# KiCad board sakura50.kicad_pcb (continued)
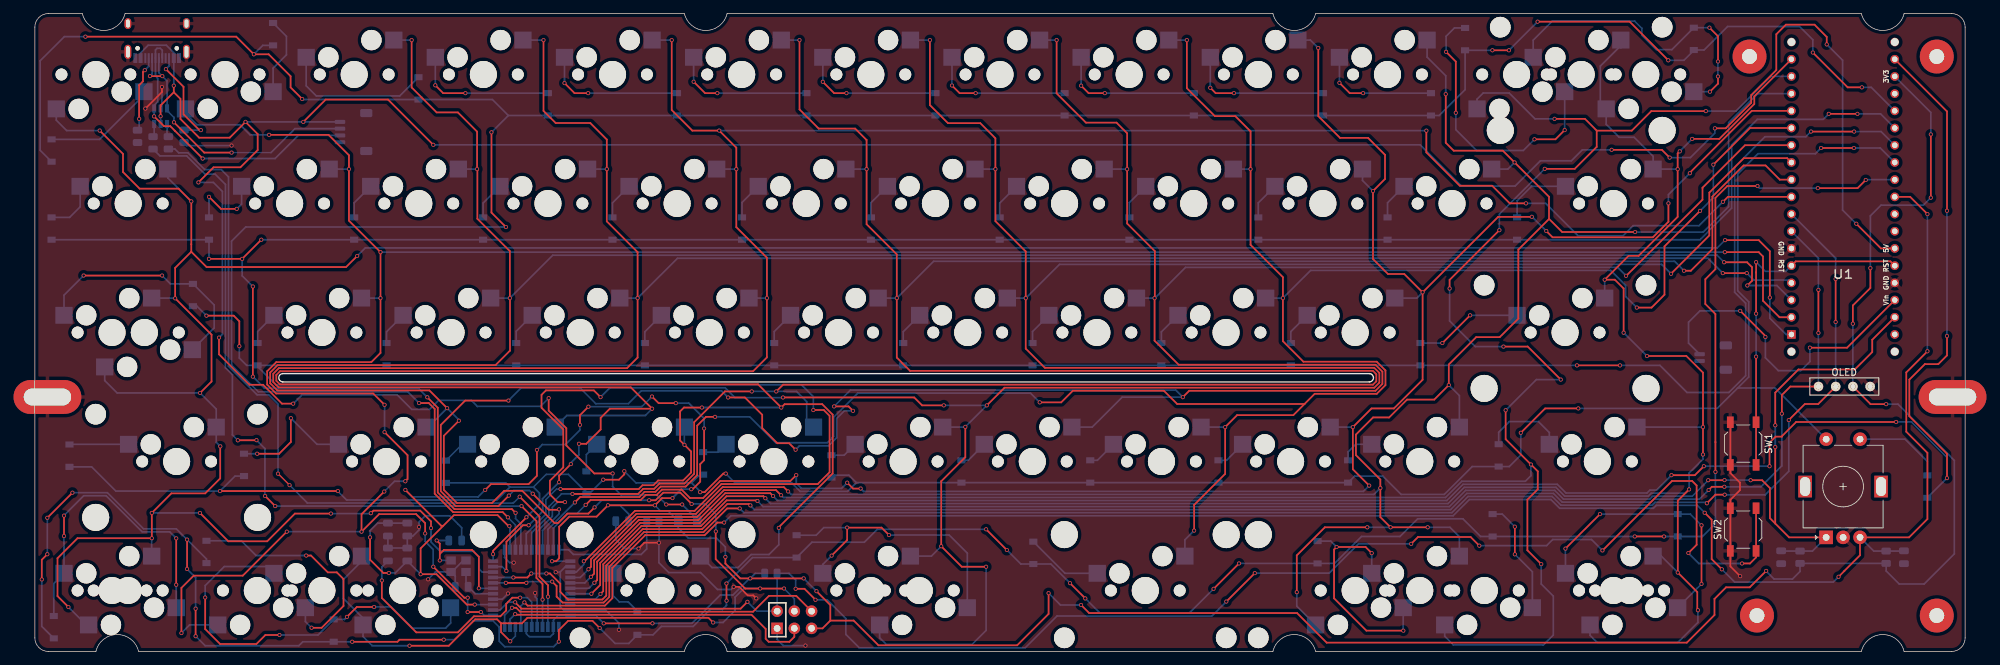
[diagram p0: board, top side]
## Routing (per net, layer and track width the routed paths; a pad name or vN(x,y) marks a point on that pad's centre or on a via; arc(x,y) is an arc through that point) (continued)
XTAL2: length 6.4
  Bottom w0.25: U2.16 64.93,8.52 C8.1 63.59,9.86 Y1.3
Net-(C1-Pad1): length 36.6
  Top w0.25: v1(71.57,7.94) 70.42,7.94 69.52,7.03 69.52,6.05 68.66,5.19 64.76,5.19 62.39,2.82 56.25,2.82 51.17,7.9 51.17,10.41
  Bottom w0.25: C1.1 51.17,12.47 v1(51.17,10.48) ; v1(71.57,7.94) 72.63,7.94 73.28,7.29 U2.6
Net-(D1-Pad2): length 16.8
  Bottom w0.25: D1.2 9.54,75.62 16.09,82.16 MX1.1
Net-(D2-Pad2): length 11.8
  Bottom w0.25: MX2.1 35.13,86.13 37.1,88.1 37.1,90.84 D2.2
Net-(D3-Pad2): length 22.5
  Bottom w0.25: D3.2 53.81,82.03 41.51,82.03 40.02,83.53 MX3.1
Net-(D4-Pad2): length 21.2
  Top w0.25: v1(59.06,83.6) 60.23,82.44 v1(63.5,82.44)
  Bottom w0.25: 59.06,87.74 v1(59.06,83.6) ; D4.2 v1(63.5,82.44)
Net-(D5-Pad2): length 21
  Top w0.25: v1(78.11,83.93) 79.6,82.44 v1(81.61,82.44)
  Bottom w0.25: v1(81.61,82.44) D5.2 ; MX5.1 v1(78.11,83.93)
Net-(D6-Pad2): length 20.9
  Top w0.25: v1(100.66,82.44) 98.85,82.44 v1(97.17,84.13)
  Bottom w0.25: v1(100.66,82.44) D6.2 ; MX6.1 v1(97.17,84.13)
Net-(D7-Pad2): length 20.9
  Top w0.25: v1(116.22,84.12) 117.89,82.44 v1(119.71,82.44)
  Bottom w0.25: MX7.1 v1(116.22,84.12) ; v1(119.71,82.44) D7.2
Net-(D8-Pad2): length 21.2
  Top w0.25: v1(138.76,82.44) 136.39,82.44 v1(135.26,83.57)
  Bottom w0.25: v1(138.76,82.44) D8.2 ; MX8.1 v1(135.26,83.57)
Net-(D9-Pad2): length 21.3
  Top w0.25: v1(157.81,82.44) 155.42,82.44 v1(154.31,83.55)
  Bottom w0.25: D9.2 v1(157.81,82.44) ; v1(154.31,83.55) MX9.1
Net-(D10-Pad2): length 21.5
  Top w0.25: v1(176.86,82.44) 174.16,82.44 v1(173.37,83.24)
  Bottom w0.25: v1(176.86,82.44) D10.2 ; MX10.1 v1(173.37,83.24)
Net-(D11-Pad2): length 17.9
  Top w0.25: v1(195.91,82.44) 193.94,82.44 v1(192.41,83.97)
  Bottom w0.25: v1(195.91,82.44) D11.2 ; MX11.1 v1(192.41,83.97)
Net-(D12-Pad2): length 41.9
  Top w0.25: v1(209.58,79.54) 209.58,87.11 v1(208.14,88.55) ; v1(221.18,75.63) 224.28,75.63 v1(225.63,76.99)
  Bottom w0.25: MX12.1 v1(225.63,76.99) ; D12.2 209.38,92.07 208.14,90.84 v1(208.14,88.55) ; v1(209.58,79.54) 209.58,77.06 212.65,73.98 219.54,73.98 v1(221.18,75.63)
Net-(D13-Pad2): length 46.2
  Top w0.25: v1(247.06,82.66) 248.24,83.84 v1(248.24,84.91) ; v1(246.99,92.11) 248.24,90.86 v1(248.24,87.12)
  Bottom w0.25: MX13.1 v1(247.06,82.66) ; v1(248.24,84.91) v1(248.24,87.12) ; MX14.1 220.99,90.27 223.82,93.1 235.95,93.1 237.03,92.02 237.03,91 239.15,88.87 241.44,88.87 D13.2 246.99,92.11 v1(246.99,92.11)
Net-(D14-Pad2): length 7.9
  Bottom w0.25: MX15.1 6.68,65.65 5.13,64.1 D14.2
Net-(D15-Pad2): length 11.5
  Top w0.25: v1(29.77,65.35) 27.46,65.35 v1(25.68,67.13)
  Bottom w0.25: D15.2 v1(25.68,67.13) ; MX16.1 30.49,66.07 v1(29.77,65.35)
Net-(D16-Pad2): length 5.6
  Bottom w0.25: D16.2 47.09,66.24 MX17.1
Net-(D17-Pad2): length 5.6
  Bottom w0.25: MX18.1 66.11,66.21 D17.2
Net-(D18-Pad2): length 5.6
  Bottom w0.25: MX19.1 85.19,66.24 D18.2
Net-(D19-Pad2): length 5.6
  Bottom w0.25: MX20.1 104.3,66.3 D19.2
Net-(D20-Pad2): length 5.6
  Bottom w0.25: D20.2 123.31,66.26 MX21.1
Net-(D21-Pad2): length 5.6
  Bottom w0.25: MX22.1 142.3,66.2 D21.2
Net-(D22-Pad2): length 5.6
  Bottom w0.25: D22.2 161.44,66.29 MX23.1
Net-(D23-Pad2): length 5.6
  Bottom w0.25: D23.2 180.44,66.24 MX24.1
Net-(D24-Pad2): length 5.6
  Bottom w0.25: MX25.1 199.51,66.26 D24.2
Net-(D25-Pad2): length 10.5
  Bottom w0.25: D25.2 218.62,66.55 220.75,68.69 MX26.1
Net-(D26-Pad2): length 36.1
  Top w0.25: v1(7.19,55.51) v1(18.76,55.51)
  Bottom w0.25: v1(18.76,55.51) 19.99,54.28 D26.2 23.34,54.28 26.45,51.17 26.45,47.78 MX28.1 ; MX27.1 4.3,52.61 v1(7.19,55.51)
Net-(D27-Pad2): length 5.1
  Bottom w0.25: D27.2 32.85,47.24 MX29.1
Net-(D28-Pad2): length 5.1
  Bottom w0.25: MX30.1 51.87,47.21 D28.2
Net-(D29-Pad2): length 5.1
  Bottom w0.25: D29.2 70.99,47.28 MX31.1
Net-(D30-Pad2): length 5.1
  Bottom w0.25: D30.2 89.97,47.21 MX32.1
Net-(D31-Pad2): length 5.1
  Bottom w0.25: D31.2 109.05,47.23 MX33.1
Net-(D32-Pad2): length 5.1
  Bottom w0.25: D32.2 128.08,47.21 MX34.1
Net-(D33-Pad2): length 5.1
  Bottom w0.25: D33.2 147.15,47.23 MX35.1
Net-(D34-Pad2): length 5.1
  Bottom w0.25: MX36.1 166.15,47.19 D34.2
Net-(D35-Pad2): length 5.1
  Bottom w0.25: MX37.1 185.25,47.23 D35.2
Net-(D36-Pad2): length 15.9
  Top w0.25: v1(207.59,45.55) v1(211.69,49.64)
  Bottom w0.25: v1(207.59,45.55) D36.2 ; MX38.1 v1(211.69,49.64)
Net-(D37-Pad2): length 8.7
  Bottom w0.25: MX39.1 5.13,30.59 D37.2
Net-(D38-Pad2): length 19.8
  Top w0.25: v1(32.79,29.2) 36.02,29.2 37.76,30.93 v1(37.76,34.45)
  Bottom w0.25: D38.2 v1(32.79,29.2) ; MX40.1 41.61,30.59 v1(37.76,34.45)
Net-(D39-Pad2): length 4.2
  Bottom w0.25: D39.2 63.03,30.59 MX41.1
Net-(D40-Pad2): length 4.6
  Bottom w0.25: D40.2 81.34,29.05 MX42.1
Net-(D41-Pad2): length 3.8
  Bottom w0.25: D41.2 100.76,29.42 MX43.1
Net-(D42-Pad2): length 4.2
  Bottom w0.25: MX44.1 119.37,28.98 D42.2
Net-(D43-Pad2): length 4.3
  Bottom w0.25: MX45.1 137.66,28.23 D43.2
Net-(D44-Pad2): length 4.4
  Bottom w0.25: MX46.1 156.71,28.23 D44.2
Net-(D45-Pad2): length 4.5
  Bottom w0.25: MX47.1 175.76,28.23 D45.2
Net-(D47-Pad2): length 12.3
  Bottom w0.25: D47.2 215.9,32.37 217.47,33.95 221.76,33.95 223.37,32.33 MX49.1
Net-(D48-Pad1): length 13.3
  Bottom w0.25: D48.1 279.12,28.07 275.84,31.35 MX50.S1
Net-(D49-Pad2): length 46.1
  Top w0.25: v1(20.85,16.7) v1(20.85,9.85) ; v1(4.29,17.04) 4.29,20.05 v1(4.3,20.05)
  Bottom w0.25: D49.2 2.79,10.03 MX51.1 4.3,15.95 4.29,15.95 v1(4.29,17.04) ; v1(4.3,20.05) 4.3,20.09 7.2,22.99 10.51,22.99 15.84,17.66 19.89,17.66 v1(20.85,16.7) ; v1(20.85,9.85) MX60.1
Net-(D50-Pad2): length 35.9
  Top w0.25: v1(40.02,14.16) 40.72,14.16 43.21,11.68 44.53,11.68 45.52,10.69 45.52,6.72 42.3,3.5 v1(40.81,3.5)
  Bottom w0.25: v1(40.02,14.16) 32.63,14.16 30.45,16.34 D50.2 ; MX52.1 39.9,4.41 v1(40.81,3.5)
Net-(D51-Pad2): length 61.4
  Top w0.25: v1(46.03,5.11) 47.49,6.57 v1(50.03,6.57) ; v1(36.08,2.43) 34,2.43 32.67,1.1 27.33,1.1 25.12,3.31 v1(25.12,7.97)
  Bottom w0.25: v1(46.03,5.11) 45.66,4.73 D51.2 41.77,2.43 v1(36.08,2.43) ; MX61.1 34.25,12.54 27.93,12.54 25.12,9.73 v1(25.12,7.97) ; MX53.1 61.33,4.19 60.57,3.44 55.69,3.44 52.55,6.58 52.54,6.57 v1(50.03,6.57)
Net-(D52-Pad2): length 8
  Bottom w0.25: MX54.1 85.26,8.27 86.22,7.31 87.52,7.31 88.87,5.97 D52.2
Net-(D53-Pad2): length 43.5
  Top w0.25: v1(117.51,14.15) 119.8,16.44 v1(119.8,18.29) 124.87,18.29 v1(125.97,17.19)
  Bottom w0.25: MX55.1 137.53,14.52 134.85,17.19 v1(125.97,17.19) ; v1(117.51,14.15) 116.21,12.85 MX62.1 ; D53.2 115.24,17.16 116.36,18.29 v1(119.8,18.29)
Net-(D54-Pad2): length 11.4
  Bottom w0.25: MX56.1 151.94,11.54 D54.2
Net-(D55-Pad2): length 35
  Top w0.25: v1(197.18,14.52) 196.27,15.43 v1(192,15.43) 191.62,15.05 191.62,7.84 196.39,3.07 v1(201.84,3.07)
  Bottom w0.25: v1(192,15.43) 191.13,16.3 D55.2 ; v1(201.84,3.07) 201.82,3.09 MX57.1 ; MX63.1 v1(197.18,14.52)
Net-(D56-Pad2): length 17.1
  Top w0.25: v1(218.29,18.42) v1(218.29,14.35)
  Bottom w0.25: v1(218.29,18.42) 216.43,20.28 D56.2 ; MX58.1 220.87,11.77 v1(218.29,14.35)
Net-(D57-Pad2): length 40.1
  Top w0.25: v1(225.75,15.19) v1(230.84,20.28) ; v1(245.82,18.63) v1(245.82,9.98)
  Bottom w0.25: v1(230.84,20.28) D57.2 244.17,20.28 v1(245.82,18.63) ; v1(245.82,9.98) MX59.1 ; MX64.1 v1(225.75,15.19)
Net-(MX48-Pad1): length 5.2
  Bottom w0.25: MX48.1 194.81,30.59 193.69,29.48 D46.2
Net-(R3-Pad2): length 17.7
  Bottom w0.25: R3.2 90.24,15.14 89.43,14.33 79.42,14.33 78.72,15.02 U2.33
Net-(R7-Pad2): length 11.3
  Top w0.25: v1(15.38,78.65) 15.37,78.66 15.37,83.62 15.94,84.19 15.94,85.57 v1(16.21,85.83)
  Bottom w0.25: v1(15.38,78.65) 15.38,77.22 R7.2 ; USB1.4 16.79,86.41 v1(16.21,85.83)
Net-(R8-Pad1): length 15.7
  Top w0.25: v1(19.33,85.98) 21.92,83.39 21.92,79.33 24.27,76.98 v1(24.48,76.98)
  Bottom w0.25: 21.89,76.98 24.48,76.98 v1(24.48,76.98) ; v1(19.33,85.98) 19.79,86.45 USB1.10

## Copper pours and planes (outline as drawn; the poured copper is in the pictures)
GND on Top: 285.75,-1.05 -6.35,-1.05 -6.35,100.55 285.75,100.55
GND on Bottom: 285.75,-1.05 -6.35,-1.05 -6.35,100.55 285.75,100.55
GND on Bottom: 78.52,14.59 78.57,4.11 68.06,4.11 68.06,14.62

## Text on the board
B.Mask: Made by HorrorTroll
F.Mask: さくら50 / (Sakura50)
